# Altium PCB Clock-v1.0.PcbDoc (part 2 of 2)
Units mm, origin at the board's own origin, x right, y up, seen from the top; angles counter-clockwise.
Board outline 85 x 65 mm, 2 copper layers (Top Layer, Bottom Layer), stack 1.448 mm thick; 99 components, 70 nets, 399 pads, 175 vias.
Unrouted connection lines stored in the file: 143.
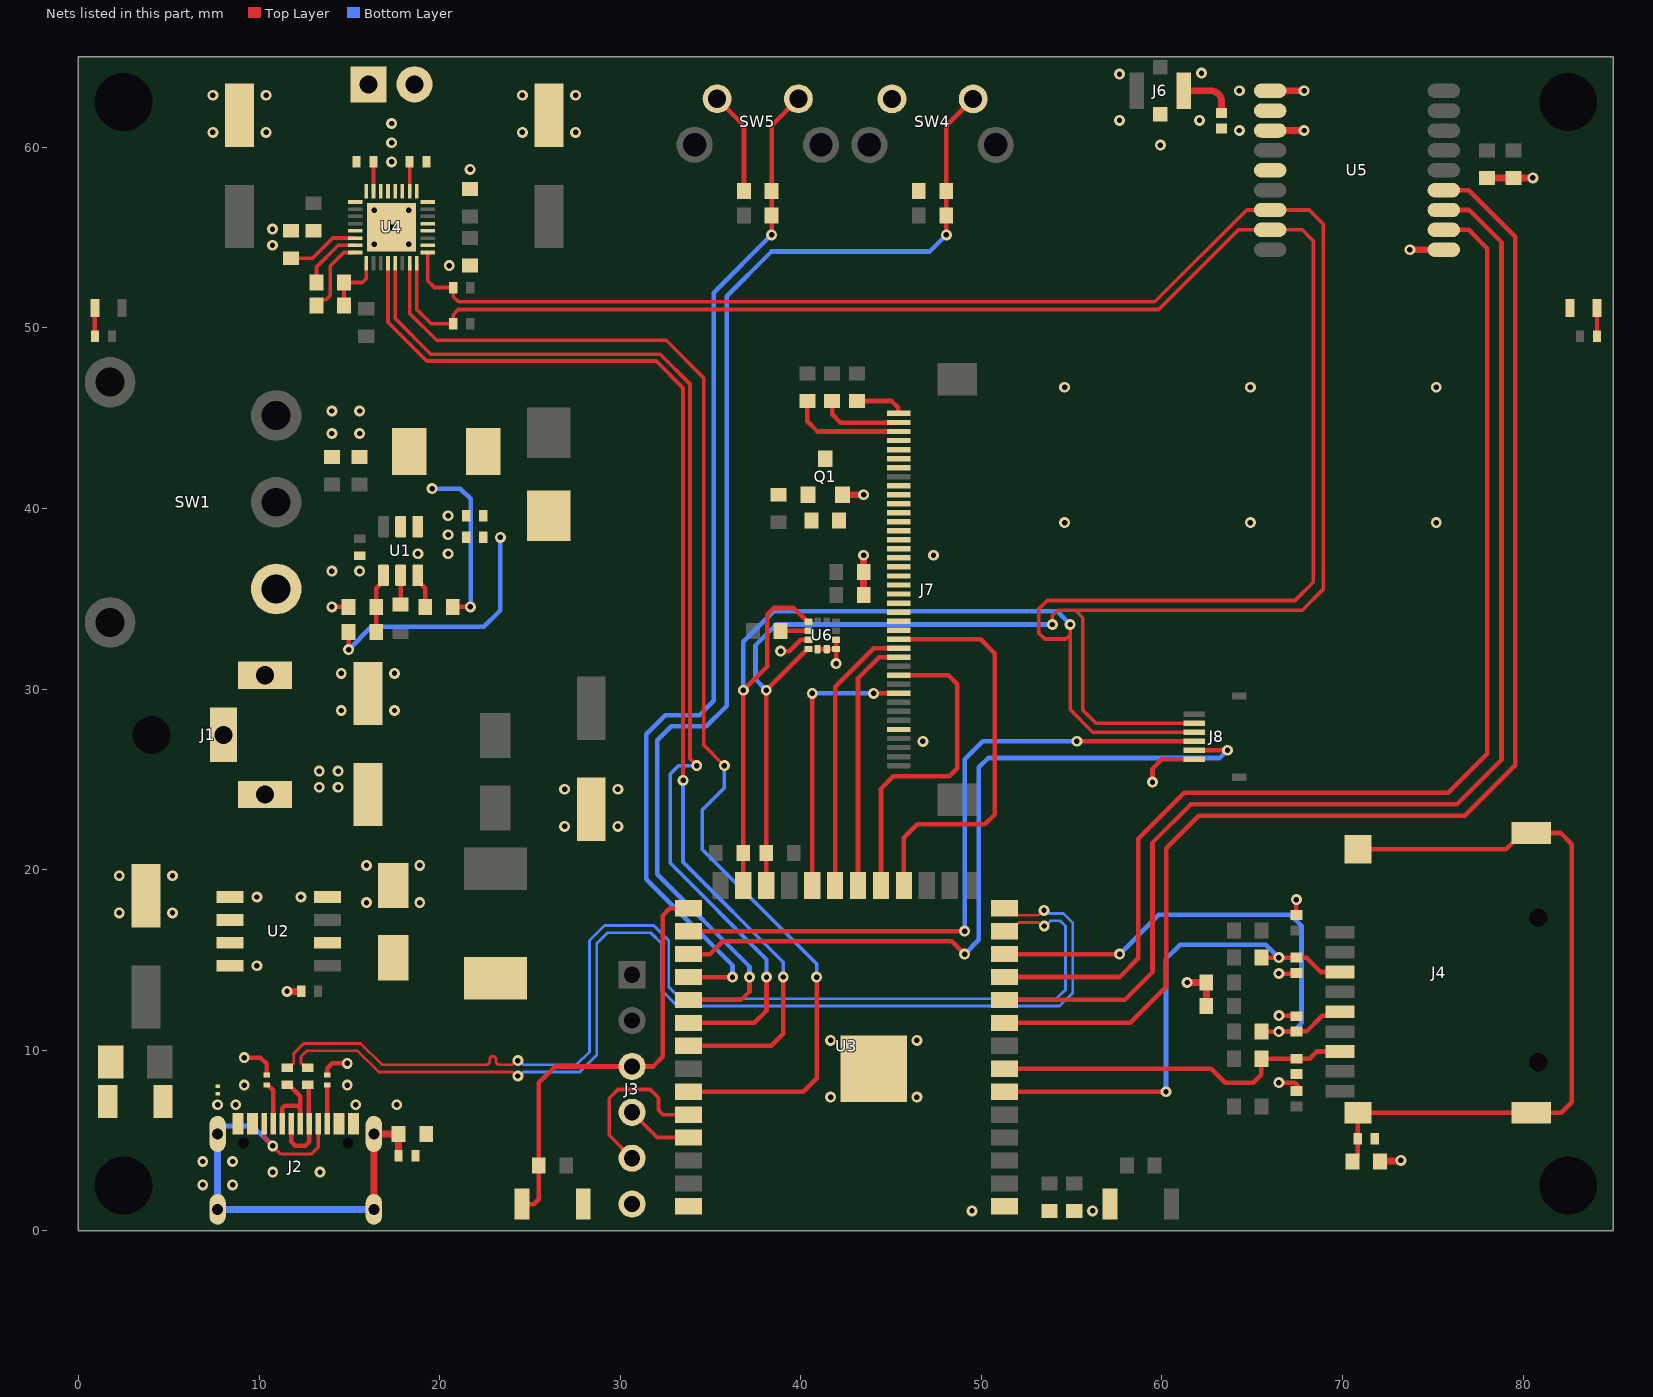
[diagram p2: the nets of this part, all layers, seen from the top]

## Via types
v1: diameter 0.6, hole 0.3, Top Layer to Bottom Layer, 175 vias

## Nets (pads, with @x,y where several pads share a name; then routed paths per layer and width w, separated by ;. In a path a pad name is that pad's centre, name@x,y a point inside that pad or via, vN(x,y) a via of type N, cw(c..) or ccw(c..) an arc to the next point about the centre after c; other vN are vias at no path point) (continued)
GND: C2.2 C3.1 C4.1 C5.1 C6.1 C7.2 C8.1 C9.1 C10.2 C11.1 C12.1 C13.1 C14.2 C16.2 C18.2 C21.2 C22.2 C23.1 C24.1 C25.1 C26.2 C27.2 C28.1 C29.1 C30.1 C31.1 C32.2 D1.2 D2.2 D5.2 D6.2 D7.2 D8.2 D9.2 J1.2 J1.3 J2.A1/B12 J2.B1/A12 J3.6 J6.2 J7.5 J7.16 J7.17 J7.18 J7.19 J7.20 J7.21 J7.22 J7.23 J7.24 J7.25 J7.26 J7.27 J7.28 J7.29 J7.30 J7.31 J7.32 J7.37 J8.1 LED2.2 Q1.2 R3.1 R6.1 R7.1 R8.1 R29.1 R31.2 SW2.1 SW3.1 SW4.2 SW5.2 U1.1 U2.4 U2.5 U2.6 U2.7 U2.8 U3.1 U3.40 U3.41 U4.10 U4.12 U4.13 U4.19 U4.20 U4.21 U4.22 U4.29 U4.33 U5.1 U5.10 U5.12 U6.3 U6.5 U6.6 U6.7 U6.8 | length 37.6
  Top Layer w0.254: v1(9.184,9.591) 10.083,9.591 10.434,9.24 R6.1@10.434,8.627 ; R7.1@13.784,8.627 13.784,9.002 14.054,9.271 v1(14.884,9.271) ; v1(14.034,34.549) R3.1@14.961,34.549 ; SW5.2@35.368,62.684 36.856,61.196 C29.1@36.856,57.579 ; v1(38.88,32.097) 39.369,32.097 39.991,32.72 U6.3@40.427,32.72 ; U6.5@40.935,32.212 41.95,32.212 U6.7@41.957,32.22 ; v1(41.957,31.409) U6.7@41.957,32.22 ; U6.8@41.957,32.72 U6.7@41.957,32.22 ; v1(59.475,24.848) 59.475,25.592 59.992,26.108 J8.1@61.78,26.108 ; v1(66.475,8.204) 67.355,8.204 67.556,8.003 ; v1(66.482,11.913) 66.499,11.896 67.426,11.896 D7.2@67.444,11.878 ; v1@66.482,14.242 67.408,14.242 D6.2@67.444,14.277 ; D5.2@67.444,17.478 v1(67.444,18.339)
  Top Layer w0.381: v1(11.55,13.259) C9.1@12.332,13.259 ; Q1.2@42.301,40.759 v1(43.481,40.759) ; C26.2@43.481,35.201 v1(43.481,37.409) ; v1(61.392,13.749) C31.1@62.459,13.749 C30.1@62.459,12.454 ; U5.12@65.989,60.926 v1(67.869,60.926) ; U5.10@65.989,63.126 v1(67.869,63.126) ; C32.2@72.04,3.898 C32.2@72.071,3.867 ; C32.2@72.08,3.835 72.08,3.858 C32.2@72.071,3.867 ; v1(73.228,3.899) 73.196,3.867 C32.2@72.071,3.867 ; v1(73.732,54.326) U5.1@75.612,54.326 ; C25.1@78.003,58.302 C24.1@79.477,58.302 v1(80.543,58.302)
  other v1: 49.479,1.097 56.159,1.097 6.884,2.54 8.534,2.54 6.884,3.835 8.534,3.835 7.709,6.979 8.712,6.979 15.357,6.979 17.629,6.979 41.649,7.402 46.431,7.402 41.649,10.541 46.431,10.541 66.475,14.248 9.881,14.673 2.261,17.602 5.207,17.602 15.951,18.174 18.898,18.174 9.881,18.483 12.319,18.483 2.261,19.66 5.207,19.66 15.951,20.231 18.898,20.231 26.924,22.391 29.87,22.391 26.924,24.448 29.87,24.448 46.761,27.1 14.554,28.809 17.501,28.809 14.554,30.866 17.501,30.866 14.034,36.53 15.57,36.53 47.35,37.409 18.796,37.49 20.472,37.49 20.472,38.542 54.61,39.218 64.897,39.218 75.184,39.218 20.472,39.594 14.034,44.15 15.57,44.15 14.034,45.394 15.57,45.394 54.61,46.711 64.897,46.711 75.184,46.711 20.538,53.446 10.744,54.57 16.383,54.625 18.294,54.625 10.744,55.47 17.339,55.57 16.383,56.515 18.294,56.515 21.692,58.776 17.339,59.191 59.914,60.122 17.339,60.253 7.442,60.824 10.389,60.824 24.587,60.824 27.534,60.824 64.287,60.926 17.339,61.316 57.649,61.486 62.078,61.486 7.442,62.882 10.389,62.882 24.587,62.882 27.534,62.882 64.287,63.126 57.649,64.051 62.189,64.105
INT: J8.3 U3.28 | length 37.9
  Top Layer w0.254: U3.28@33.79,16.591 v1(49.07,16.591) ; v1(55.289,27.108) J8.3@61.78,27.108
  Bottom Layer w0.254: v1(49.07,16.591) 49.07,26.113 50.065,27.108 v1(55.289,27.108)
IO0: J3.3 R10.1 SW3.2 U3.27 | length 24.4
  Top Layer w0.254: SW3.2@24.554,1.478 25.22,1.478 25.492,1.75 R10.1@25.492,3.612 25.492,8.187 26.403,9.098 J3.3@30.658,9.098 31.818,9.098 32.348,9.629 32.348,17.459 32.75,17.861 U3.27@33.79,17.861
IPPS: U3.9 U5.4 | length 73
  Top Layer w0.254: U3.9@51.29,11.511 58.239,11.511 60.236,13.509 60.236,21.183 62.032,22.979 76.763,22.979 79.561,25.777 79.561,55.051 76.986,57.626 U5.4@75.612,57.626
LRCLK: U3.33 U4.4 | length 64.7
  Top Layer w0.203: U4.4@17.139,53.57 17.139,50.31 19.286,48.163 31.989,48.163 33.48,46.672 v1(33.48,24.937)
  Top Layer w0.254: U3.33@33.79,10.241 38.359,10.241 39.024,10.907 v1(39.024,14.051)
  Bottom Layer w0.203: v1(33.48,24.937) 33.48,20.419 39.024,14.874 v1(39.024,14.051)
MCLK: U3.32 U4.5 | length 63.7
  Top Layer w0.203: U4.5@17.539,53.57 17.539,50.514 19.509,48.544 32.212,48.544 33.861,46.895 33.861,26.137 v1(34.242,25.756)
  Top Layer w0.254: U3.32@33.79,11.511 37.419,11.511 38.1,12.192 v1(38.1,14.046)
  Bottom Layer w0.203: v1(34.242,25.756) 33.224,25.756 32.766,25.298 32.766,20.362 38.1,15.028 v1(38.1,14.046)
MISO: D8.1 J4.7 R14.2 U3.7 | length 20.1
  Top Layer w0.254: U3.7@51.29,8.971 62.727,8.971 63.494,8.204 65.065,8.204 65.507,8.646 R14.2@65.507,9.527 D8.1@67.444,9.527 68.175,9.527 68.577,9.928 J4.7@69.848,9.928
MOSI: D6.1 J4.3 R12.2 U3.6 | length 27.8
  Top Layer w0.254: U3.6@51.29,7.701 v1(60.223,7.701) ; R12.2@65.507,15.127 v1(66.475,15.127) D6.1@67.444,15.127 ; D6.1@67.495,15.127 67.509,15.113 68.006,15.113 68.791,14.328 J4.3@69.848,14.328
  Bottom Layer w0.254: v1(60.223,7.701) 60.223,15.056 61.015,15.848 65.755,15.848 v1(66.475,15.127)
NetC1_1: C1.1 U1.6 | length 1.9
  Top Layer w0.254: U1.6@18.791,36.294 18.791,35.994 18.964,35.821 19.202,35.583 C1.1@19.202,34.544
NetC1_2: C1.2 L1.1 U1.2 | length 9.3
  Top Layer w0.254: C1.2@20.726,34.544 v1(21.701,34.544)
  Bottom Layer w0.254: v1(19.583,41.097) 21.151,41.097 21.717,40.531 21.717,34.56 v1(21.701,34.544)
NetC3_2: C3.2 C4.2 D3.1 L1.2 R2.2 | length 14.3
  Top Layer w0.254: v1(14.961,32.182) R2.2@14.961,33.152
  Bottom Layer w0.254: v1(14.961,32.182) 16.221,33.442 22.454,33.442 23.362,34.351 v1(23.362,38.394)
NetC14_1: C14.1 U4.30 | length 4
  Top Layer w0.203: C14.1@11.76,53.848 12.967,53.848 14.089,54.97 U4.30@15.339,54.97
NetC15_1: C15.1 C17.1 U4.1 | length 3.4
  Top Layer w0.203: C17.1@14.707,51.24 C15.1@14.707,52.51 15.714,52.51 15.939,52.735 U4.1@15.939,53.57
NetC15_2: C15.2 U4.31 | length 3.5
  Top Layer w0.203: C15.2@13.183,52.51 13.183,53.365 14.388,54.57 U4.31@15.339,54.57
NetC17_2: C17.2 U4.32 | length 4.3
  Top Layer w0.203: C17.2@13.183,51.24 13.183,51.28 13.462,51.56 13.713,51.56 13.943,51.79 13.943,53.424 14.688,54.169 U4.32@15.339,54.169
NetC19_1: C19.1 U4.23 | length 1.6
  Top Layer w0.203: U4.23@16.339,57.57 C19.1@16.339,59.191
NetC20_1: C20.1 U4.18 | length 1.6
  Top Layer w0.203: U4.18@18.339,57.57 C20.1@18.339,59.191
NetC32_1: C32.1 J4.S1 J4.S2 J4.S3 J4.S4 R31.1 | length 41.7
  Top Layer w0.254: C32.1@70.556,3.835 70.556,3.899 70.848,4.191 R31.1@70.848,5.105 J4.S1@70.848,6.528 J4.S2@80.448,6.528 82.113,6.528 82.7,7.115 82.7,21.411 82.082,22.028 79.948,22.028 79.048,21.128 J4.S4@70.848,21.128
NetD1_1: D1.1 F1.1 J2.A4/B9 J2.B4/A9
  other v1: 10.761,3.251 13.375,3.251 9.184,8.069 14.884,8.069
NetD2_1: D2.1 L2.1 U2.2
NetF1_2: F1.2 FB1.1
NetJ2_A5: J2.A5 R6.2 | length 2.3
  Top Layer w0.254: R6.2@10.492,8.069 10.784,7.777 J2.A5@10.784,5.931
NetJ2_A6: J2.A6 J2.B6 R5.1 | length 5.4
  Top Layer w0.254: J2.A6@11.784,5.931 11.784,4.944 12.01,4.719 12.573,4.719 12.784,4.93 J2.B6@12.784,5.931 ; R5.1@12.7,8.09 12.761,8.028 J2.B6@12.761,5.931
NetJ2_A7: J2.A7 J2.B7 R4.1 | length 4.5
  Top Layer w0.254: J2.B7@11.284,5.931 11.277,5.938 11.277,6.781 11.43,6.934 12.102,6.934 12.284,6.752 ; R4.1@11.55,8.09 11.639,8.09 12.284,7.444 12.284,6.752 ; J2.A7@12.284,5.931 12.284,6.752
NetJ2_B5: J2.B5 R7.2 | length 2.1
  Top Layer w0.254: J2.B5@13.784,5.931 R7.2@13.784,8.077
NetJ6_1: J6.1 L3.2 U5.11 | length 3.1
  Top Layer w0.381: J6.1@61.214,63.126 62.709,63.126 cw(c62.709,62.538) 63.297,62.538 L3.2@63.297,61.899
NetJ7_34: J7.34 J7.35 J7.36 Q1.3
NetJ7_38: J7.38 R24.1 | length 6.4
  Top Layer w0.254: R24.1@40.361,45.949 40.361,44.824 40.926,44.259 J7.38@45.416,44.259
NetJ7_39: J7.39 R25.1 | length 4.6
  Top Layer w0.254: R25.1@41.732,45.949 41.732,45.216 42.197,44.751 J7.39@45.404,44.751
NetJ7_40: J7.40 R26.1 | length 2.8
  Top Layer w0.254: R26.1@43.116,45.949 45.023,45.949 45.404,45.568 45.404,45.271 J7.40@45.416,45.259
NetL3_1: L3.1 U5.14
NetLED1_1: LED1.1 R20.2 | length 1.6
  Top Layer w0.254: R20.2@0.913,49.53 LED1.1@0.913,51.105
NetLED2_1: LED2.1 R27.1 | length 1.6
  Top Layer w0.203: R27.1@84.087,49.53 LED2.1@84.087,51.105
NetQ1_1: Q1.1 R28.2 R29.2
NetR1_1: R1.1 U1.5 | length 1.6
  Top Layer w0.254: R1.1@17.841,34.676 U1.5@17.841,36.294
NetR23_1: R23.1 U6.2 | length 1.5
  Top Layer w0.254: R23.1@38.88,33.22 U6.2@40.427,33.22
RESET: J7.15 U3.18 | length 22.8
  Top Layer w0.254: J7.15@45.416,32.759 49.96,32.759 50.73,31.99 50.73,23.045 50.189,22.504 46.457,22.504 45.71,21.758 U3.18@45.71,19.111
RST: J8.2 U3.29 | length 42.5
  Top Layer w0.254: U3.29@33.79,15.321 34.973,15.321 35.679,16.027 48.364,16.027 v1(49.07,15.321) ; J8.2@61.78,26.619 61.791,26.608 v1(63.627,26.608)
  Bottom Layer w0.254: v1(49.07,15.321) 49.86,16.112 49.86,25.663 50.375,26.178 63.197,26.178 v1(63.627,26.608)
RX: U3.10 U5.3 | length 69.8
  Top Layer w0.254: U3.10@51.29,12.781 57.945,12.781 59.475,14.312 59.475,21.498 61.605,23.627 76.335,23.627 78.8,26.092 78.8,54.747 77.021,56.526 U5.3@75.612,56.526
RXD0: J3.5 U3.36 | length 9.4
  Top Layer w0.203: J3.5@30.658,4.018 29.388,5.288 29.388,7.337 29.872,7.822 31.666,7.822 32.121,7.367 32.121,6.683 32.373,6.431 U3.36@33.79,6.431
SCL: J8.4 R16.2 R21.2 U3.25 U4.8 U5.17 U6.1 | length 145.4
  Top Layer w0.203: U4.8@18.739,53.57 18.739,51.016 19.531,50.224 R21.2@20.752,50.224 20.752,50.727 21.038,51.013 59.827,51.013 64.24,55.426 U5.17@65.989,55.426 67.764,55.426 68.377,54.813 68.377,35.907 67.367,34.898 53.651,34.898 53.183,34.43 53.183,33.104 53.522,32.766 54.669,32.766 54.915,33.011 ; v1(54.915,33.572) 54.915,33.011 ; J8.4@61.78,27.608 56.171,27.608 54.915,28.864 54.915,33.011
  Top Layer w0.254: U3.25@36.82,19.111 R16.2@36.82,20.909 v1(36.82,29.933) 38.135,31.248 38.135,34.119 38.504,34.488 39.609,34.488 40.377,33.72 U6.1@40.427,33.72
  Bottom Layer w0.254: v1(36.82,29.933) 36.82,32.607 38.509,34.296 54.191,34.296 v1(54.915,33.572)
SCLK: D7.1 J4.5 R13.2 U3.12 | length 29.2
  Top Layer w0.254: U3.12@51.29,15.321 v1(57.653,15.321) ; R13.2@65.507,11.028 v1(66.475,11.028) D7.1@67.444,11.028 67.454,11.038 68.006,11.038 68.882,11.913 69.634,11.913 J4.5@69.848,12.128
  Bottom Layer w0.254: v1(57.653,15.321) 59.832,17.501 67.107,17.501 67.725,16.882 67.725,11.496 67.258,11.028 v1(66.475,11.028)
SDA: J8.5 R22.2 R30.2 U3.24 U4.9 U5.16 U6.4 | length 136.6
  Top Layer w0.203: U4.9@19.339,54.17 19.339,52.606 19.714,52.231 R22.2@20.752,52.231 20.752,51.727 21.04,51.44 59.602,51.44 64.688,56.526 U5.16@65.989,56.526 68.161,56.526 68.924,55.763 68.924,35.512 67.77,34.358 55.21,34.358 ; v1(53.931,33.572) 53.931,34.059 54.231,34.358 55.21,34.358 ; J8.5@61.78,28.108 56.342,28.108 55.616,28.834 55.616,33.952 55.21,34.358
  Top Layer w0.254: U3.24@38.09,19.111 R30.2@38.09,20.909 v1(38.09,29.933) 39.067,30.909 40.329,32.172 40.377,32.22 U6.4@40.427,32.22
  Bottom Layer w0.254: v1(38.09,29.933) 37.49,30.532 37.49,32.423 38.639,33.572 v1(53.931,33.572)
SDIN: U3.35 U4.7 | length 70.3
  Top Layer w0.203: U4.7@18.339,53.57 18.339,50.809 19.842,49.306 32.545,49.306 34.623,47.228 34.623,26.902 v1(35.769,25.756)
  Top Layer w0.254: U3.35@33.79,7.701 40.137,7.701 40.879,8.443 v1(40.879,14.046)
  Bottom Layer w0.203: v1(35.769,25.756) 35.769,24.522 34.545,23.299 34.545,21.111 40.879,14.778 v1(40.879,14.046)
Shell_: C11.2 J2.A8 J2.B8 J2.S1 J2.S2 J2.S3 J2.S4 R8.2 | length 29
  Top Layer w0.178: J2.B8@10.284,5.931 10.29,5.926 10.29,5.168 v1(10.761,4.698) 11.21,4.248 12.897,4.248 13.284,4.636 J2.A8@13.284,5.931
  Top Layer w0.381: J2.S2@16.359,1.181 J2.S1@16.359,5.361 C11.2@17.729,5.361 R8.2@17.729,4.162
  Bottom Layer w0.254: J2.S4@7.709,5.361 7.709,5.564 7.949,5.804 9.654,5.804 v1(10.761,4.698)
  Bottom Layer w0.381: J2.S4@7.709,5.361 J2.S3@7.709,1.181 J2.S2@16.359,1.181
SP_N: C20.2 J5.2 U4.16 U4.17
SP_P: C19.2 J5.1 U4.24 U4.25
SPI_CS: J7.9 U3.22 | length 15.4
  Top Layer w0.254: U3.22@40.637,19.118 v1(40.637,29.759) ; v1(44.032,29.759) J7.9@45.416,29.759
  Bottom Layer w0.254: v1(40.637,29.759) v1(44.032,29.759)
SPI_SCK: J7.11 U3.19 | length 18.2
  Top Layer w0.254: U3.19@44.44,19.111 44.44,24.479 45.123,25.162 48.219,25.162 48.666,25.609 48.666,30.273 48.179,30.759 J7.11@45.416,30.759
SPI_SDI: J7.13 U3.20 | length 14.2
  Top Layer w0.254: U3.20@43.17,19.111 43.17,30.592 44.337,31.759 J7.13@45.416,31.759
SPI_SDO: J7.14 U3.21 | length 15.4
  Top Layer w0.254: U3.21@41.9,19.111 41.9,30.127 44.032,32.259 J7.14@45.416,32.259
TX: U3.11 U5.2 | length 66.5
  Top Layer w0.254: U3.11@51.29,14.051 57.653,14.051 58.692,15.091 58.692,21.704 61.235,24.246 75.846,24.246 78.017,26.417 78.017,54.395 76.986,55.426 U5.2@75.612,55.426
TXD0: J3.4 U3.37 | length 3.7
  Top Layer w0.203: J3.4@30.658,6.558 32.055,5.161 U3.37@33.79,5.161
USB_N: R4.2 U3.13 | length 62.9
  Top Layer w0.152: R4.2@11.55,9.03 11.702,9.182 11.833,9.182 11.922,9.271 11.922,9.819 12.475,10.372 15.628,10.372 16.801,9.2 22.519,9.2 22.595,9.2 ccw(c22.595,9.377) 22.773,9.377 22.773,9.484 cw(c22.95,9.484) 23.128,9.484 23.128,9.377 ccw(c23.306,9.377) 23.306,9.2 23.913,9.2 24.02,9.2 24.244,9.423 v1(24.333,9.423) ; U3.13@51.29,16.591 51.59,16.591 51.974,16.975 51.974,16.982 52.063,17.071 53.165,17.071 53.359,16.877 v1(53.478,16.877)
  Bottom Layer w0.152: v1(24.333,9.423) 24.422,9.423 24.646,9.2 27.589,9.2 28.296,9.906 28.296,16.078 29.126,16.908 31.859,16.908 32.689,16.078 32.689,13.492 33.329,12.852 54.163,12.852 54.659,13.348 54.659,16.871 54.369,17.161 53.818,17.161 53.562,16.905 53.562,16.877 v1(53.478,16.877)
USB_P: R5.2 U3.14 | length 62.9
  Top Layer w0.152: R5.2@12.7,9.03 12.548,9.182 12.417,9.182 12.328,9.271 12.328,9.65 12.644,9.966 15.46,9.966 16.632,8.793 24.02,8.793 24.244,8.569 v1(24.333,8.569) ; U3.14@51.29,17.861 51.59,17.861 51.964,17.488 52.043,17.488 52.053,17.478 53.153,17.478 53.418,17.742 v1(53.466,17.742)
  Bottom Layer w0.152: v1(24.333,8.569) 24.422,8.569 24.646,8.793 27.758,8.793 28.702,9.738 28.702,15.91 29.294,16.502 31.691,16.502 32.283,15.91 32.283,13.324 33.161,12.446 54.331,12.446 55.065,13.18 55.065,17.039 54.537,17.567 53.762,17.567 53.587,17.742 v1(53.466,17.742)
VFB: R2.1 R3.2 U1.4 | length 3.3
  Top Layer w0.254: R2.1@16.485,33.152 16.485,35.588 16.891,35.994 U1.4@16.891,36.294
VIN: C2.1 J1.4 SW1.1
  other v1: 13.335,24.562 14.376,24.562 13.335,25.451 14.376,25.451
VOL_DN: C28.2 R17.1 SW4.1 U3.31 | length 68.6
  Top Layer w0.254: U3.31@33.79,12.781 36.69,12.781 37.16,13.251 v1(37.16,14.046) ; v1(48.06,55.143) R17.1@48.06,56.228 C28.2@48.06,57.574 48.06,61.191 SW4.1@49.548,62.679
  Bottom Layer w0.254: v1(37.16,14.046) 37.16,14.632 32.055,19.737 32.055,27.157 32.83,27.932 34.764,27.932 35.89,29.058 35.89,51.74 38.379,54.229 47.145,54.229 v1(48.06,55.143)
VOL_UP: C29.2 R18.1 SW5.1 U3.30 | length 57.6
  Top Layer w0.254: U3.30@33.795,14.046 v1(36.22,14.046) ; v1(38.38,55.148) R18.1@38.38,56.233 C29.2@38.38,57.579 38.38,61.196 SW5.1@39.868,62.684
  Bottom Layer w0.254: v1(36.22,14.046) 36.22,14.704 31.45,19.474 31.45,27.498 32.502,28.55 34.39,28.55 35.182,29.342 35.182,51.95 v1(38.38,55.148)
pads on no net: J1.MH J2.MH J4.1 J4.6 J4.8 J4.MH J4.MH1 J6.3 J6.4 J7.1 J7.2 J7.3 J7.4 J7.8 J7.MP1 J7.MP2 J8.MP1 J8.MP2 SW1.3 SW1.4 SW1.5 SW4.3 SW5.3 U3.15 U3.16 U3.23 U3.26 U3.38 U3.39 U4.3 U5.5 U5.7 U5.9 U5.13 U5.15 U5.18 U6.11 U6.12

## Polygon pours and split planes (outlines as drawn)
SP_P on Top Layer "SP_P_L01_P023" (solid, pour order 23): 13.729,58.845 ccw(c13.301,58.845) 13.301,59.273 13.233,59.273 13.233,64.643 17.069,64.643 17.069,61.925 15.869,60.725 15.869,58.285 16.039,58.115 16.039,57.17 15.814,57.17 15.739,57.095 15.739,56.87 14.732,56.87 14.224,57.379 14.224,58.845
SP_N on Top Layer "SP_N_L01_P022" (solid, pour order 22): 20.948,58.845 cw(c21.376,58.845) 21.376,59.273 21.444,59.273 21.444,64.643 17.609,64.643 17.609,61.925 18.808,60.725 18.808,58.285 18.639,58.115 18.639,57.17 18.864,57.17 18.939,57.095 18.939,56.87 19.945,56.87 20.453,57.379 20.453,58.845
GND on Top Layer "GND_L01_P018" (solid, remove dead copper, pour order 18): 0.66,0.584 84.43,0.584 84.43,64.414 0.66,64.414
+12V on Top Layer "NONET_L-01_P-001" (solid, pour order 12): 23.647,58.776 23.251,58.379 23.251,56.998 20.574,56.998 20.247,56.67 18.941,56.67 18.941,56.07 20.257,56.07 20.538,55.789 23.236,55.789 24.605,54.42 27.965,54.42 27.965,58.776
+12V on Top Layer "NONET_L-01_P-001" (solid, pour order 11): 14.551,56.67 13.945,57.277 13.945,58.572 7.061,58.572 7.061,54.42 10.109,54.42 10.109,55.905 10.274,56.07 13.564,56.07 13.964,55.67 15.739,55.67 15.739,56.67
NetD2_1 on Top Layer "NONET_L-01_P-001" (solid, pour order 9): 13.056,15.367 13.056,16.434 25.908,16.434 26.365,15.977 26.365,12.471 26.01,12.116 16.256,12.116 16.027,12.344 16.027,15.011 15.672,15.367
+5V on Top Layer "NONET_L-01_P-001" (solid, pour order 8): 6.198,10.541 6.985,11.328 14.529,11.328 15.062,11.862 15.062,14.732 14.797,14.998 13.05,14.998 13.05,14.15 13.05,12.598 6.985,12.598 6.198,13.386 6.198,15.316 5.918,15.596 2.108,15.596 1.829,15.316 1.829,10.973 2.007,10.795 3.556,10.795 3.81,10.541 3.81,8.437 5.499,8.437 6.198,9.136
NetD1_1 on Top Layer "NONET_L-01_P-001" (solid, pour order 5): 14.734,7.1 15.469,7.835 15.469,8.418 15.327,8.56 14.584,8.56 14.446,8.422 14.446,7.789 14.134,7.477 14.134,5.128 13.248,4.242 10.854,4.242 9.934,5.161 9.934,7.444 9.934,8.462 9.367,9.03 6.667,9.03 5.711,8.073 4.148,8.073 4.148,5.885 4.394,5.639 6.604,5.639 6.833,5.867 6.833,7.518 7.209,7.895 8.869,7.895 9.334,7.43 9.334,2.031 9.784,1.581 14.416,1.581 14.734,1.899
NetC3_2 on Top Layer "NETC3_2_L01_P003" (solid, pour order 3): 21.523,45.263 21.244,44.983 21.244,40.716 21.652,40.308 22.183,40.308 22.183,37.873 22.412,37.644 27.033,37.644 27.235,37.846 27.235,40.994 24.284,40.994 24.079,41.199 24.079,45.034 23.851,45.263
+12V on Top Layer "+12V_L01_P001" (solid, pour order 1): 8.992,38.077 8.992,42.092 16.51,42.092 16.51,40.081 16.51,39.594 17.191,39.594 17.191,38.222 17.045,38.077
NetC1_2 on Top Layer "NETC1_2_L01_P000" (solid, pour order 0): 19.99,40.615 19.683,40.308 18.769,40.308 18.182,39.721 18.182,38.459 18.11,38.388 17.549,38.388 17.48,38.456 17.48,39.721 17.045,40.155 17.045,44.985 17.323,45.263 19.737,45.263 19.99,45.01
+3V3 on Bottom Layer "+3V3_L02_P021" (solid, pour order 21): 34.976,22.53 34.976,22.997 35.296,23.317 42.697,23.317 43.307,23.927 43.307,28.143 47.65,32.487 55.22,32.487 55.626,32.893 55.626,34.468 55.121,34.972 37.875,34.972 36.728,36.119 36.728,51.356 38.839,53.467 48.184,53.467 48.895,54.178 48.895,55.651 48.666,55.88 47.752,55.88 46.685,54.813 40.03,54.813 39.037,55.806 38.128,55.806 37.135,54.813 32.131,54.813 30.785,53.467 30.785,40.005 30.455,39.675 28.499,39.675 28.016,40.157 28.016,56.261 28.931,57.175 50.008,57.175 50.521,56.663 50.521,51.689 50.013,51.181 39.624,51.181 38.913,50.47 38.913,44.348 84.353,44.348 84.353,40.208 45.085,40.208 43.993,41.3 42.824,41.3 42.469,40.945 38.946,40.945 38.202,40.2 38.202,37.313 38.583,36.932 57.252,36.932 57.81,36.373 57.81,31.445 57.379,31.013 49.759,31.013 45.339,26.594 45.339,21.742 44.679,21.082 35.204,21.082 34.976,21.311
+3V3 on Bottom Layer "+3V3_L02_P020" (solid, pour order 20): 81.255,58.852 81.636,58.471 81.636,8.28 80.924,7.569 77.064,7.569 76.352,6.858 76.352,3.708 75.717,3.073 66.446,3.073 65.913,3.607 65.913,13.132 65.634,13.411 63.475,13.411 63.221,13.157 63.221,5.436 62.713,4.928 55.55,4.928 55.169,4.547 55.169,3.073 55.55,2.692 57.226,2.692 57.48,2.438 57.48,0.762 57.861,0.381 79.604,0.381 80.289,1.067 80.289,4.496 80.797,5.004 83.668,5.004 84.353,5.69 84.353,59.715 83.744,60.325 79.375,60.325 79.146,60.096 79.146,59.055 79.35,58.852
GND on Bottom Layer "GND_L02_P017" (solid, remove dead copper, pour order 17): 0.66,0.584 84.43,0.584 84.43,64.414 0.66,64.414
+12V on Bottom Layer "+12V_L02_P016" (solid, pour order 16): 7.645,53.365 8.128,52.883 21.539,52.883 22.53,53.873 22.53,58.42 22.885,58.776 24.587,58.776 24.943,58.42 24.943,51.613 24.079,50.749 7.976,50.749 7.645,50.419 7.645,43.028 8.204,42.469 8.23,42.494 12.406,42.494 12.968,41.932 12.968,38.642 12.35,38.024 5.004,38.024 4.267,38.76 4.267,58.115 4.877,58.725 11.405,58.725 11.684,58.445 11.684,56.439 11.405,56.159 8.28,56.159 7.645,55.524
NetD1_1 on Bottom Layer "NETD1_1_L02_P015" (solid, pour order 15): 13.652,4.013 13.792,3.873 13.792,2.654 13.652,2.515 10.414,2.515 10.236,2.692 10.236,3.835 10.414,4.013 11.1,4.013 11.315,4.228 11.315,5.361 10.964,5.361 10.566,5.758 10.566,7.417 10.312,7.671 8.89,7.671 8.712,7.849 8.712,8.534 8.839,8.661 15.367,8.661 15.519,8.509 15.519,7.747 15.367,7.595 12.979,7.595 12.751,7.366 12.751,4.242 12.979,4.013
VIN on Bottom Layer "VIN_L02_P004" (solid, pour order 4): 9.754,26.365 14.605,26.365 14.935,26.035 14.935,23.114 14.605,22.784 0.991,22.784 0.483,23.292 0.483,36.805 0.991,37.313 12.294,37.313 12.776,36.83 12.776,32.969 12.421,32.614 7.01,32.614 6.426,32.029 6.426,26.01 6.934,25.502 8.89,25.502

## Other copper
Top Layer:
  rectangle net NetL3_1: 62.89,58.326 63.703,61.305
  rectangle net NetL3_1: 62.997,58.326 66.896,59.126
  rectangle net NetJ6_1: 62.997,61.626 66.896,62.426
  rectangle net GND: 12.56,55.27 15.917,55.467
  rectangle net GND: 18.939,54.473 21.044,54.67
  rectangle net +3V3: 44.766,28.109 47.295,28.909
  rectangle net +3V3: 82.919,49.212 83.493,49.895
  rectangle net +3V3: 24.835,42.794 31.725,45.594
  rectangle net +3V3: 28.423,26.169 31.725,45.594
  rectangle net +3V3: 54.699,2.171 55.588,4.056
  rectangle net +3V3: 54.699,3.167 58.445,4.056
  rectangle net +3V3: 20.345,26.169 31.725,30.687
  rectangle net FB: 20.345,18.866 25.756,24.669
  rectangle net NetF1_2: 0.376,5.639 2.803,10.257
  rectangle net +3V3: 50.54,2.171 55.588,3.071
  rectangle net +3V3: 63.602,9.082 64.364,17.073
  rectangle net GND: 67.114,7.453 67.774,8.952
  rectangle net +3V3: 63.602,12.009 65.176,14.194
  rectangle net NetQ1_1: 38.316,40.378 40.97,41.219
  rectangle net NetQ1_1: 39.991,38.897 40.97,41.219
  rectangle net NetJ7_34: 40.941,42.139 46.066,43.383
  rectangle net VIN: 8.992,33.68 12.802,37.313
  rectangle net VIN: 9.881,22.403 16.827,25.905
  rectangle net VIN: 8.611,22.403 16.827,25.375
  pour cut-out: 59.014,64.126 59.014,62.226 60.814,62.226 60.814,64.126
  pour cut-out: 59.032,2.964 58.62,2.964 58.62,3.389 59.032,3.389
  pour cut-out: 68.892,9.124 67.977,9.124 67.977,9.346 68.892,9.346
  pour cut-out: 65.117,11.57 65.117,11.982 65.339,11.982 65.339,11.57
  pour cut-out: 65.63,14.159 65.63,14.571 65.851,14.571 65.851,14.159
  pour cut-out: 63.398,15.983 64.567,15.983 64.567,15.761 63.398,15.761
  pour cut-out: 64.922,15.977 65.637,15.977 65.637,15.756 64.922,15.756
  pour cut-out: 20.199,55.863 20.296,55.863 20.296,55.336 20.199,55.336
  pour cut-out: 23.715,54.58 24.339,54.58 24.339,54.359 23.715,54.359
  pour cut-out: 1.457,51.808 1.869,51.808 1.869,51.383 1.457,51.383
  pour cut-out: 12.408,53.485 12.82,53.485 12.82,53.264 12.408,53.264
  pour cut-out: 13.589,35.26 13.589,33.8 16.104,33.8 16.104,35.26
Bottom Layer:
  region net SP_P: 17.069,64.643 14.713,64.643 14.713,62.382 17.069,62.382
  rectangle net SP_N: 17.609,62.382 19.964,64.643
  rectangle net +3V3: 81.636,37.49 84.353,50.089

## Silkscreen, mask and mechanical layers (free items; w line width, h text height)
Top Overlay:
  lines w0.127: 9.119,53.365 9.119,53.696 11.163,53.696 9.449,53.696 ; 19.811,47.727 19.321,47.727 19.321,52.231 20.434,52.231 ; 20.815,35.077 20.815,35.369 23.089,35.369 ; 22.73,39.594 23.637,39.594 24.079,39.152 24.079,37.998 ; 39.675,36.271 40.005,35.941 41.475,35.941 ; 39.892,35.201 41.475,35.201 ; 57.036,19.05 66.987,19.05 ; 66.987,6.49 66.987,5.957 68.25,5.957 68.25,19.05 66.987,19.05 ; 66.987,12.266 66.987,13.889 ; 66.987,17.866 66.987,19.05 ; 55.423,14.529 56.998,14.529 56.998,25.298 55.423,25.298 55.423,14.529
  text "SP+" at 10.801,62.861 h1.24
  text "SP-" at 19.939,62.861 h1.24
  text "Vol+" at 32.651,58.411 h1.24 r90
  text "Vol-" at 53.508,58.406 h1.24 r90
  text "GPS" at 65.874,52.21 h1.24
  text "AMP Status" at 0.503,51.768 h1.2
  text "3v3 PWR" at 77.528,51.768 h1.2
  text "GYRO" at 43.776,29.978 h1.24 r90
  text "DISPLAY FLEX CABLE" at 53.301,28.628 h1.24 r90
  text "SD CARD" at 70.195,22.878 h1.2
  text "TOUCH FLEX CABLE" at 66.622,20.477 h1.24 r90
  text "PROGAMMING" at 29.295,3.058 h1.2 r90
  text "RESET" at 19.138,0.857 h1.2
  text "ENABLE" at 61.109,0.857 h1.2
Bottom Overlay:
  text "Rev-v1.0" at 46.751,1.512 h1.24
Board Outline:
  the board outline again, w0.254
Fabrication:
  drawing of 191 lines, arcs and shapes, not listed
  text "Layer" at 119.393,77.521 h1.52
  text "Name" at 129.804,77.521 h1.52
  text "Material" at 153.42,77.521 h1.52
  text "Thickness" at 175.258,77.521 h1.52
  text "Constant" at 191.764,77.521 h1.52
  text "Board Layer Stack" at 206.238,77.521 h1.52
  text "Top Overlay" at 129.804,74.473 h1.52
  text "Top Solder" at 129.804,71.425 h1.52
  text "Solder Resist" at 153.42,71.425 h1.52
  text "0.076mm" at 175.258,71.425 h1.52
  text "3.5" at 191.764,71.425 h1.52
  text "1" at 119.393,68.377 h1.52
  text "Top Layer" at 129.804,68.377 h1.52
  text "0.254mm" at 175.258,68.377 h1.52
  text "Dielectric 1" at 129.804,65.329 h1.52
  text "FR-4" at 153.42,65.329 h1.52
  text "0.940mm" at 175.258,65.329 h1.52
  text "4.6" at 191.764,65.329 h1.52
  text "2" at 119.393,62.281 h1.52
  text "Bottom Layer" at 129.804,62.281 h1.52
  text "0.254mm" at 175.258,62.281 h1.52
  text "Bottom Solder" at 129.804,59.233 h1.52
  text "Solder Resist" at 153.42,59.233 h1.52
  text "0.076mm" at 175.258,59.233 h1.52
  text "3.5" at 191.764,59.233 h1.52
  text "Bottom Overlay" at 129.804,56.185 h1.52
  text "Total board thickness:" at 119.393,53.137 h1.52
  text "1.600mm" at 175.258,53.137 h1.52
Mechanical 15:
  lines w0.254: -3.911,8.36 84.989,8.36 84.989,63.56 -3.911,63.56 -3.911,8.36 ; 41.24,25.464 84.99,25.464 84.99,45.464 41.24,45.464 41.24,25.464 ; 57.989,25.464 84.989,25.464 84.989,33.464 57.989,33.464 57.989,25.464
Drill Drawing:
  circle w0.254: c2.353,121.292 r0.847
  circle w0.254: c2.353,102.242 r0.508
  circle w0.254: c2.353,102.242 r0.847
  lines w0.254: 1.506,99.279 3.199,99.279 2.353,97.585 1.506,99.279 ; 1.506,105.205 1.506,105.629 1.929,106.052 1.506,106.475 1.506,106.899 1.929,106.899 2.353,106.475 2.776,106.899 3.199,106.899 3.199,106.475 2.776,106.052 3.199,105.629 3.199,105.205 2.776,105.205 2.353,105.629 1.929,105.205 1.506,105.205 ; 1.506,109.015 3.199,109.015 3.199,110.709 1.506,110.709 1.506,109.015 ; 1.506,113.249 1.929,113.249 2.353,112.825 2.776,113.249 3.199,113.249 2.776,113.672 3.199,114.095 2.776,114.095 2.353,114.519 1.929,114.095 1.506,114.095 1.929,113.672 1.506,113.249 ; 1.506,116.635 3.199,116.635 3.199,118.329 1.506,118.329 1.506,116.635 ; 1.506,125.102 2.353,124.255 3.199,125.102 2.353,125.949 1.506,125.102 ; 1.506,128.489 1.929,128.489 1.929,128.065 2.776,128.065 2.776,128.489 3.199,128.489 3.199,129.335 2.776,129.335 2.776,129.759 1.929,129.759 1.929,129.335 1.506,129.335 1.506,128.489 ; 1.506,131.875 2.353,132.299 3.199,131.875 2.776,132.722 3.199,133.569 2.353,133.145 1.506,133.569 1.929,132.722 1.506,131.875 ; 1.506,136.109 1.929,136.109 2.353,135.685 2.776,136.109 3.199,136.109 2.776,136.532 3.199,136.955 2.776,136.955 2.353,137.379 1.929,136.955 1.506,136.955 1.929,136.532 1.506,136.109 ; 1.506,141.189 3.199,141.189 2.353,139.495 1.506,141.189 ; 1.845,98.94 2.861,98.94 2.353,97.924 1.845,98.94 ; 1.845,113.418 2.099,113.418 2.353,113.164 2.607,113.418 2.861,113.418 2.607,113.672 2.861,113.926 2.607,113.926 2.353,114.18 2.099,113.926 1.845,113.926 2.099,113.672 1.845,113.418 ; 1.845,116.974 2.861,116.974 2.861,117.99 1.845,117.99 1.845,116.974
  lines w0.381: -0.013,96.442 343.349,96.442 ; -0.013,142.162 343.349,142.162 ; 13.98,92.632 13.98,145.972 ; 28.962,92.632 28.962,145.972 ; 58.163,92.632 58.163,145.972 ; 71.012,92.632 71.012,145.972 ; 89.651,92.632 89.651,145.972 ; 127.739,92.632 127.739,145.972 ; 142.722,92.632 142.722,145.972 ; 161.665,92.632 161.665,145.972 ; 190.612,92.632 190.612,145.972 ; 212.298,92.632 212.298,145.972 ; 246.172,92.632 246.172,145.972 ; 280.045,92.632 280.045,145.972 ; 307.723,92.632 307.723,145.972 ; -0.013,92.632 343.349,92.632 343.349,145.972 -0.013,145.972 -0.013,92.632
  text "Symbol" at 2.273,143.305 h1.83
  text "Count" at 15.123,143.305 h1.83
  text "Hole Size" at 30.105,143.305 h1.83
  text "Plated" at 59.306,143.305 h1.83
  text "Hole Type" at 72.155,143.305 h1.83
  text "Drill Layer Pair" at 90.794,143.305 h1.83
  text "Via/Pad" at 128.882,143.305 h1.83
  text "Pad Shape" at 143.865,143.305 h1.83
  text "Template" at 162.808,143.305 h1.83
  text "Description" at 191.755,143.305 h1.83
  text "Hole Tolerance (+)" at 213.441,143.305 h1.83
  text "Hole Tolerance (-)" at 247.315,143.305 h1.83
  text "Hole Length" at 281.188,143.305 h1.83
  text "Routed Path Length" at 308.866,143.305 h1.83
  text "1" at 15.123,139.495 h1.52
  text "2.100mm (82.68mil)" at 30.105,139.495 h1.52
  text "NPTH" at 59.306,139.495 h1.52
  text "Round" at 72.155,139.495 h1.52
  text "Top Layer - Bottom Layer" at 90.794,139.495 h1.52
  text "Pad" at 128.882,139.495 h1.52
  text "Rounded" at 143.865,139.495 h1.52
  text "c0hn210m5" at 162.808,139.495 h1.52
  text "-" at 281.188,139.495 h1.52
  text "-" at 308.866,139.495 h1.52
  text "2" at 15.123,135.685 h1.52
  text "0.600mm (23.62mil)" at 30.105,135.685 h1.52
  text "PTH" at 59.306,135.685 h1.52
  text "Slot" at 72.155,135.685 h1.52
  text "Top Layer - Bottom Layer" at 90.794,135.685 h1.52
  text "Pad" at 128.882,135.685 h1.52
  text "Rounded" at 143.865,135.685 h1.52
  text "r90_170h60_140r100" at 162.808,135.685 h1.52
  text "1.400mm (55.12mil)" at 281.188,135.685 h1.52
  text "0.800mm (31.50mil)" at 308.866,135.685 h1.52
  text "2" at 15.123,131.875 h1.52
  text "0.600mm (23.62mil)" at 30.105,131.875 h1.52
  text "PTH" at 59.306,131.875 h1.52
  text "Slot" at 72.155,131.875 h1.52
  text "Top Layer - Bottom Layer" at 90.794,131.875 h1.52
  text "Pad" at 128.882,131.875 h1.52
  text "Rounded" at 143.865,131.875 h1.52
  text "(Mixed)" at 162.808,131.875 h1.52
  text "1.700mm (66.93mil)" at 281.188,131.875 h1.52
  text "1.100mm (43.31mil)" at 308.866,131.875 h1.52
  text "2" at 15.123,128.065 h1.52
  text "0.620mm (24.41mil)" at 30.105,128.065 h1.52
  text "NPTH" at 59.306,128.065 h1.52
  text "Round" at 72.155,128.065 h1.52
  text "Top Layer - Bottom Layer" at 90.794,128.065 h1.52
  text "Pad" at 128.882,128.065 h1.52
  text "Rounded" at 143.865,128.065 h1.52
  text "c0hn62" at 162.808,128.065 h1.52
  text "-" at 281.188,128.065 h1.52
  text "-" at 308.866,128.065 h1.52
  text "2" at 15.123,124.255 h1.52
  text "1.020mm (40.16mil)" at 30.105,124.255 h1.52
  text "NPTH" at 59.306,124.255 h1.52
  text "Round" at 72.155,124.255 h1.52
  text "Top Layer - Bottom Layer" at 90.794,124.255 h1.52
  text "Pad" at 128.882,124.255 h1.52
  text "Rounded" at 143.865,124.255 h1.52
  text "c0hn102" at 162.808,124.255 h1.52
  text "-" at 281.188,124.255 h1.52
  text "-" at 308.866,124.255 h1.52
  text "3" at 15.123,120.445 h1.52
  text "1.000mm (39.37mil)" at 30.105,120.445 h1.52
  text "PTH" at 59.306,120.445 h1.52
  text "Slot" at 72.155,120.445 h1.52
  text "Top Layer - Bottom Layer" at 90.794,120.445 h1.52
  text "Pad" at 128.882,120.445 h1.52
  text "Rectangle" at 143.865,120.445 h1.52
  text "(Mixed)" at 162.808,120.445 h1.52
  text "2.200mm (86.61mil)" at 281.188,120.445 h1.52
  text "1.200mm (47.24mil)" at 308.866,120.445 h1.52
  text "4" at 15.123,116.635 h1.52
  text "1.300mm (51.18mil)" at 30.105,116.635 h1.52
  text "PTH" at 59.306,116.635 h1.52
  text "Round" at 72.155,116.635 h1.52
  text "Top Layer - Bottom Layer" at 90.794,116.635 h1.52
  text "Pad" at 128.882,116.635 h1.52
  text "Rounded" at 143.865,116.635 h1.52
  text "c200h130" at 162.808,116.635 h1.52
  text "-" at 281.188,116.635 h1.52
  text "-" at 308.866,116.635 h1.52
  text "4" at 15.123,112.825 h1.52
  text "3.200mm (125.98mil)" at 30.105,112.825 h1.52
  text "NPTH" at 59.306,112.825 h1.52
  text "Round" at 72.155,112.825 h1.52
  text "Top Layer - Bottom Layer" at 90.794,112.825 h1.52
  text "Pad" at 128.882,112.825 h1.52
  text "Rectangle" at 143.865,112.825 h1.52
  text "s0hn320" at 162.808,112.825 h1.52
  text "-" at 281.188,112.825 h1.52
  text "-" at 308.866,112.825 h1.52
  text "5" at 15.123,109.015 h1.52
  text "1.600mm (62.99mil)" at 30.105,109.015 h1.52
  text "PTH" at 59.306,109.015 h1.52
  text "Round" at 72.155,109.015 h1.52
  text "Top Layer - Bottom Layer" at 90.794,109.015 h1.52
  text "Pad" at 128.882,109.015 h1.52
  text "Rounded" at 143.865,109.015 h1.52
  text "c280h160" at 162.808,109.015 h1.52
  text "-" at 281.188,109.015 h1.52
  text "-" at 308.866,109.015 h1.52
  text "6" at 15.123,105.205 h1.52
  text "0.900mm (35.43mil)" at 30.105,105.205 h1.52
  text "PTH" at 59.306,105.205 h1.52
  text "Round" at 72.155,105.205 h1.52
  text "Top Layer - Bottom Layer" at 90.794,105.205 h1.52
  text "Pad" at 128.882,105.205 h1.52
  text "(Mixed)" at 143.865,105.205 h1.52
  text "(Mixed)" at 162.808,105.205 h1.52
  text "-" at 281.188,105.205 h1.52
  text "-" at 308.866,105.205 h1.52
  text "6" at 15.123,101.395 h1.52
  text "1.000mm (39.37mil)" at 30.105,101.395 h1.52
  text "PTH" at 59.306,101.395 h1.52
  text "Round" at 72.155,101.395 h1.52
  text "Top Layer - Bottom Layer" at 90.794,101.395 h1.52
  text "Pad" at 128.882,101.395 h1.52
  text "(Mixed)" at 143.865,101.395 h1.52
  text "(Mixed)" at 162.808,101.395 h1.52
  text "-" at 281.188,101.395 h1.52
  text "-" at 308.866,101.395 h1.52
  text "175" at 15.123,97.585 h1.52
  text "0.300mm (11.81mil)" at 30.105,97.585 h1.52
  text "PTH" at 59.306,97.585 h1.52
  text "Round" at 72.155,97.585 h1.52
  text "Top Layer - Bottom Layer" at 90.794,97.585 h1.52
  text "Via" at 128.882,97.585 h1.52
  text "Rounded" at 143.865,97.585 h1.52
  text "v60h30" at 162.808,97.585 h1.52
  text "-" at 281.188,97.585 h1.52
  text "-" at 308.866,97.585 h1.52
  text "212 Total" at 15.123,93.775 h1.52
  text "Slot definitions :" at 2.273,90.093 h1.52
  text "Routed Path Length" at 28.504,90.093 h1.52
  text "= Calculated from tool start centre position to tool end centre position." at 56.511,90.093 h1.52
  text "Hole Length" at 28.504,87.554 h1.52
  text "= Routed Path Length + Tool Size = Slot length as defined in the PCB layout" at 46.101,87.554 h1.52

## Dimensions
85,65 to 85,0 on Board Outline
0,65 to 85,65 on Board Outline

## Text inside footprints (layer, text, board x,y; h text height)
J2: Mechanical 13 "PCB Edge" at 10.696,0.557 h0.8
J4: Top Overlay "PCB Edge" at 84.388,10.316 h1 r90
J7: Top Overlay "40" at 47.193,44.628 h0.76 r90; Top Overlay "1" at 47.092,25.629 h0.76 r90; Mechanical 13 "PCB Edge" at 50.317,34.312 h0.8 r90
J8: Mechanical 13 "PCB Edge" at 64.276,26.223 h0.6 r90
SW1: Top Overlay "Board Edge" at 1.687,37.152 h0.76 r90
SW4: Top Overlay "Board Edge" at 49.939,64.258 h0.51 r180
SW5: Top Overlay "Board Edge" at 40.26,64.263 h0.51 r180